# Altium PCB Mixed Signal Board Project.PcbDoc (part 2 of 3)
Units mm, origin at the board's own origin, x right, y up, seen from the top; angles counter-clockwise.
Board outline 80.01 x 80.01 mm, 4 copper layers (Top Layer1, Layer 1, Layer 2, Bottom Layer), stack 1.371 mm thick; 190 components, 145 nets, 742 pads, 573 vias.
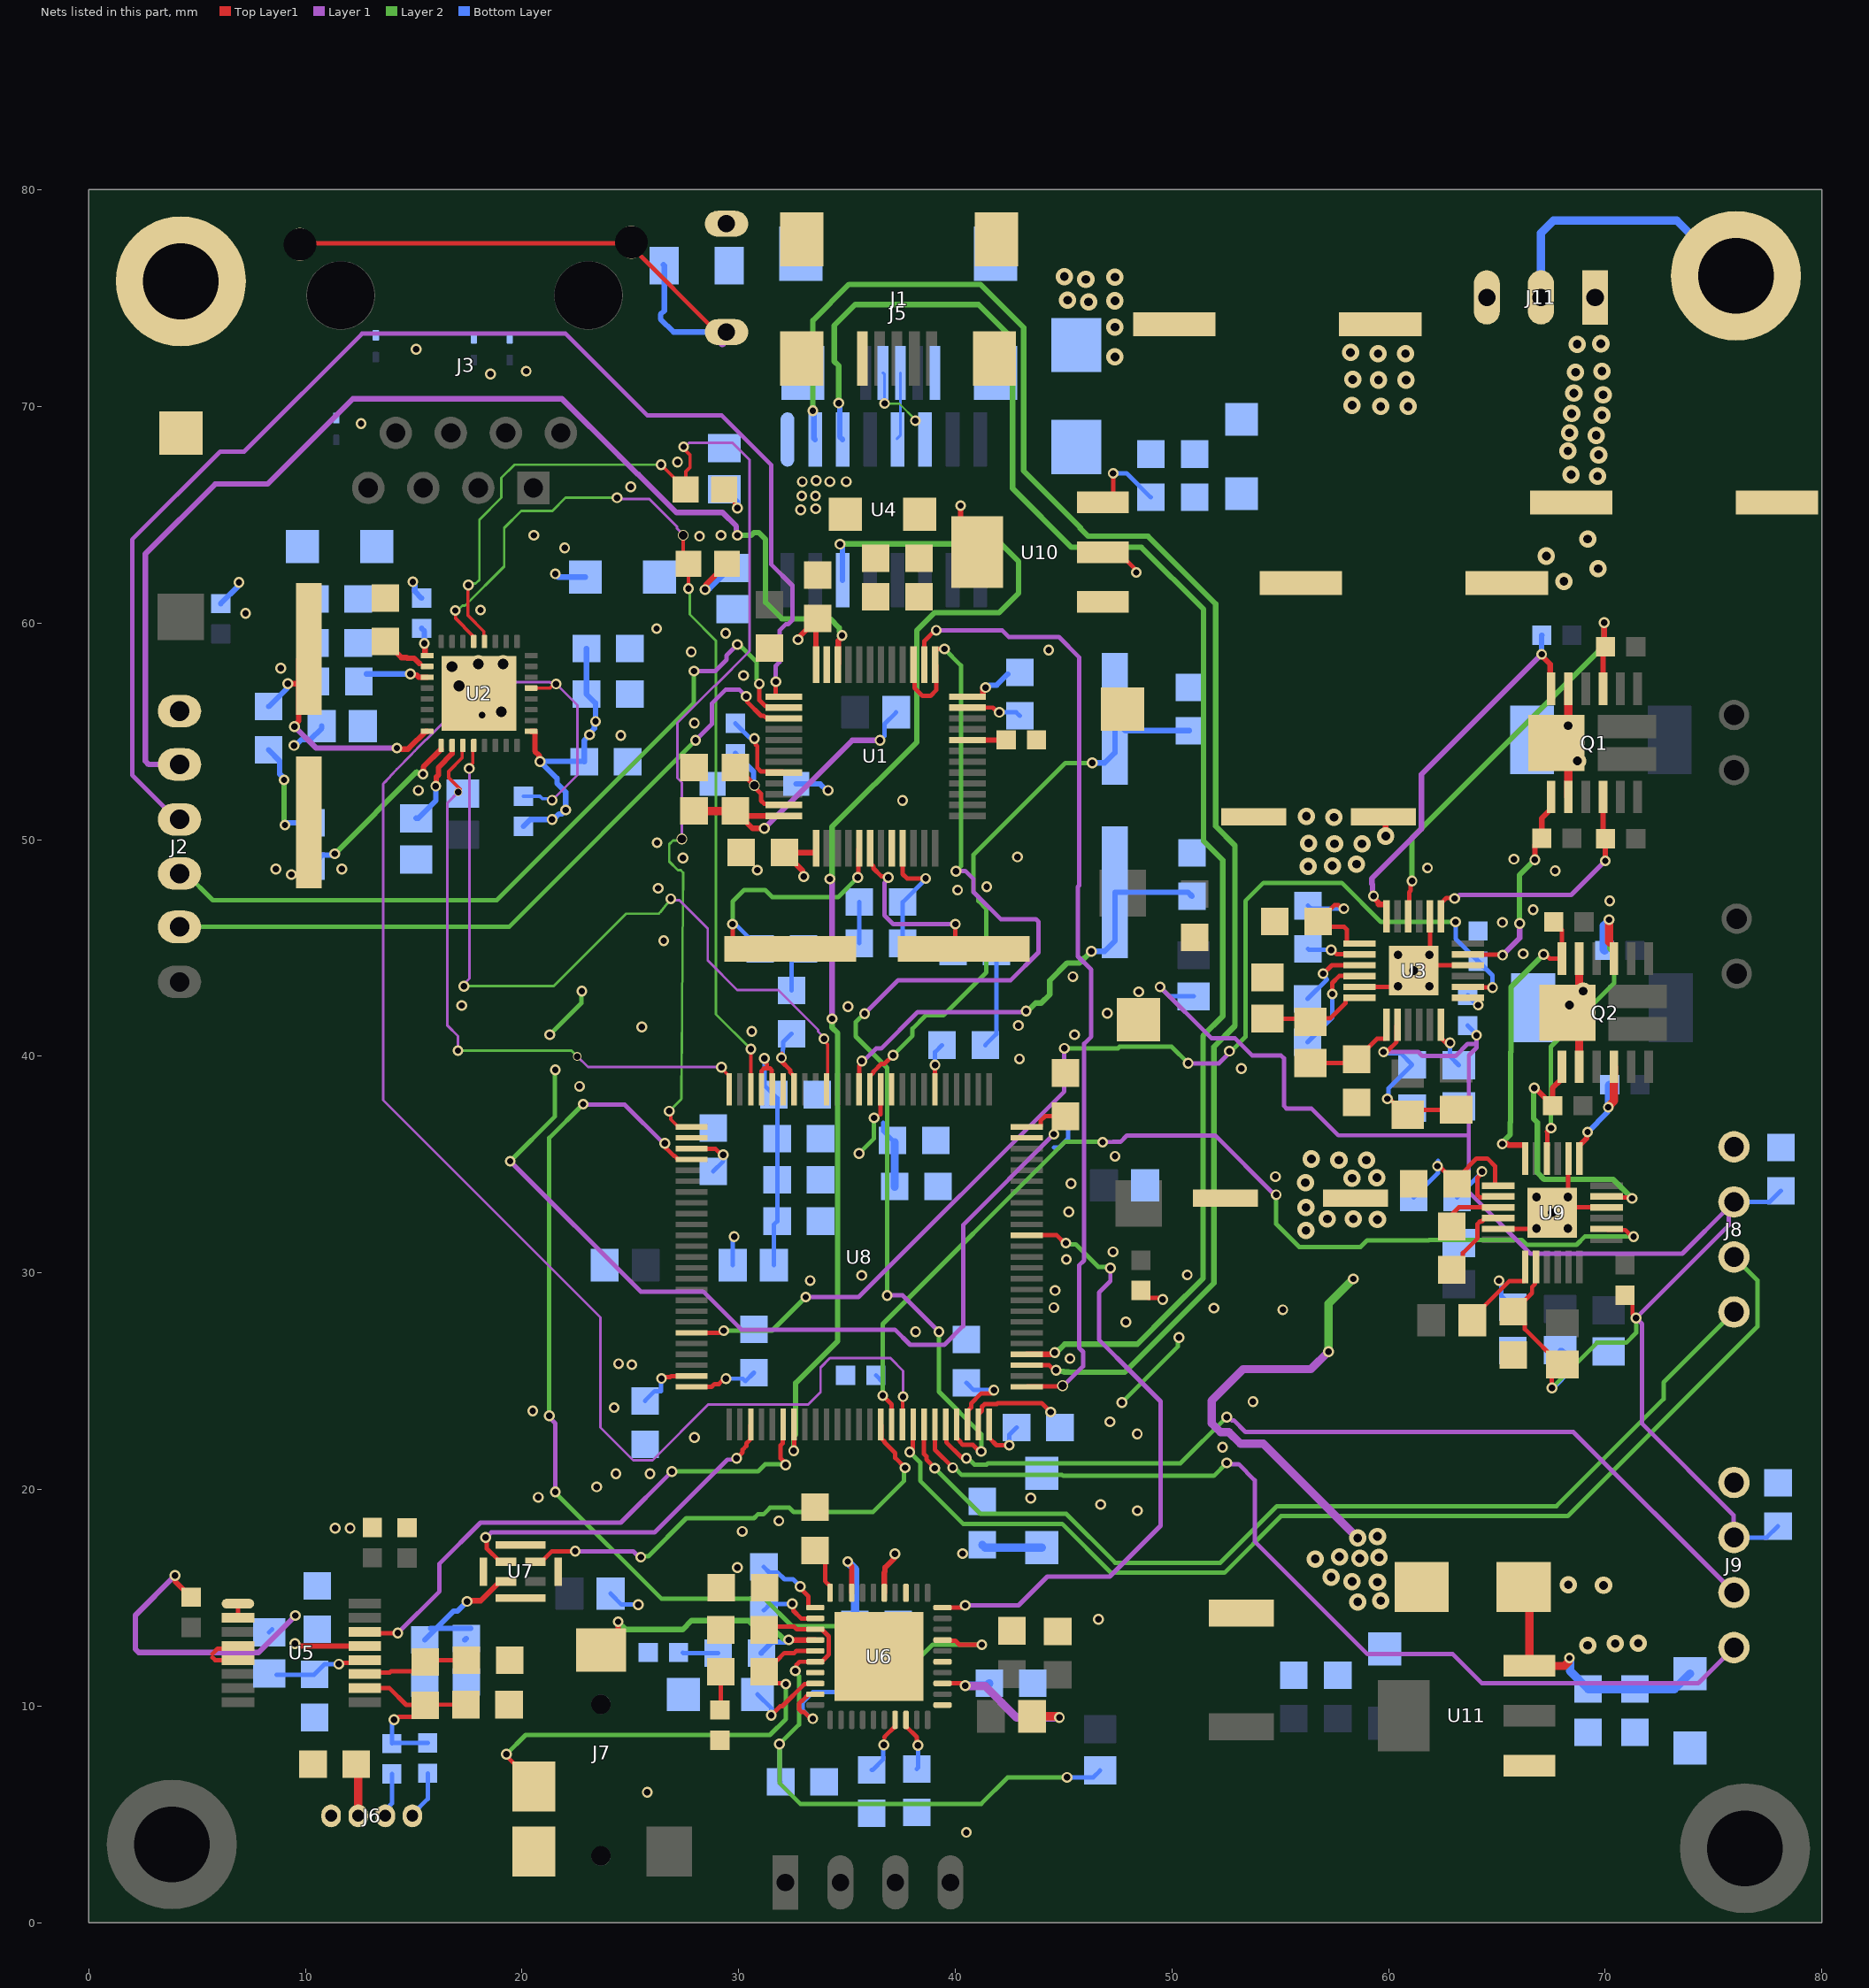
[diagram p4: the nets of this part, all layers, seen from the top]

## Via types
v1: diameter 0.5, hole 0.3, Top Layer1 to Bottom Layer, tented both sides, 434 vias
v2: diameter 0.8, hole 0.4, Top Layer1 to Bottom Layer, tented both sides, 124 vias
v3: diameter 0.5, hole 0.4, Top Layer1 to Bottom Layer, tented both sides, 5 vias
v4: diameter 0.8, hole 0.5, Top Layer1 to Bottom Layer, tented both sides, 5 vias
v5: diameter 0.4, hole 0.3, Top Layer1 to Bottom Layer, tented both sides, 3 vias
v6: diameter 0.5/0.5/0.5/0.5 (per signal layer), hole 0.3, Top Layer1 to Bottom Layer, tented both sides, 2 vias

## Nets (pads, with @x,y where several pads share a name; then routed paths per layer and width w, separated by ;. In a path a pad name is that pad's centre, name@x,y a point inside that pad or via, vN(x,y) a via of type N, cw(c..) or ccw(c..) an arc to the next point about the centre after c; other vN are vias at no path point) (continued)
+3V3: C1.2 C2.1 C3.2 C4.2 C7.2 C8.2 C9.1 C16.2 C17.2 C18.2 C19.2 C27.2 C29.2 C30.2 C44.2 C45.2 C46.2 C47.2 C48.2 C49.2 C54.2 C55.2 C59.2 C60.2 C61.2 C62.2 C63.2 C64.2 C65.2 C72.2 C78.2 C82.2 C83.2 C84.2 D2.K FB1.1 FB2.1 FB4.1 J6.3 J8.3 J9.3 R1.2 R3.2 R7.2 R8.2 R9.2 R21.1 R22.2 R24.2 R25.2 R26.2 R27.2 R32.2 R33.2 R35.2 R45.1 R46.2 R48.2 U1.1 U1.9 U1.24 U1.36 U1.48 U2.17 U3.8 U5.13 U6.5 U6.8 U6.33 U7.1 U8.6 U8.11 U8.19 U8.28 U8.50 U8.75 U8.100 U9.8 U10.2 U10.4 | length 268.3
  Top Layer1 w0.203: U8.50@27.822,24.734 28.747,24.734 28.88,24.867 29.087,24.867 29.336,25.115 v1(29.416,25.115) ; U8.28@27.822,35.734 28.922,35.734 29.208,35.448 v1(29.288,35.448) ; v1@32.004,40.107 31.953,40.056 31.953,39.789 32.389,39.354 32.389,39.254 32.56,39.083 U8.19@32.56,38.472 ; 36.551,37.313 36.555,37.317 36.555,38.467 U8.11@36.56,38.472 ; U1.9@37.572,49.61 37.572,48.411 37.774,48.209 v1(38.633,48.209) ; U8.6@39.06,38.472 39.06,39.492 v1@39.065,39.497 ; U6.33@39.409,11.044 40.276,11.044 40.382,10.938 v1(40.462,10.938) ; U8.75@41.56,22.996 41.585,22.971 41.585,22.36 41.902,22.043 v1(42.494,22.043) ; U8.100@43.298,36.734 43.909,36.734 43.934,36.759 43.934,37.016 44.145,37.227 C65.2@45.085,37.227 ; U10.2@46.817,63.271 47.517,63.271 48.299,62.489 48.299,62.394 v1(48.356,62.338) ; R1.2@48.565,29.185 48.908,28.842 49.425,28.842 49.495,28.772 v1(49.576,28.772) ; v1(59.768,40.199) 59.825,40.256 59.959,40.256 60.367,40.664 60.367,41.41 U3.8@60.41,41.453 ; v1(59.948,38.032) 60.005,37.975 60.111,37.975 60.784,37.302 R22.2@60.884,37.302 61.112,37.531 R24.2@63.119,37.531 ; U9.8@66.807,30.275 66.764,30.232 66.764,29.486 66.624,29.346 66.624,29.067 C78.2@65.76,28.203 66.294,27.67 66.294,27.398 67.921,25.771 R48.2@68.021,25.771 67.539,25.288 v1(67.539,24.689) ; R45.1@70.917,28.969 71.26,28.626 71.26,28.08 v1(71.425,27.915)
  Top Layer1 w0.254: v1(3.988,16.027) 3.988,15.761 R27.2@4.724,15.024 ; v1(9.514,12.881) 9.581,12.881 9.688,12.774 U5.13@12.74,12.774 ; v1(17.467,14.827) 17.504,14.864 18.098,14.864 18.989,15.755 U7.1@19.264,15.755 ; U2.17@20.421,54.999 20.592,54.999 20.594,54.997 20.594,54.082 20.789,53.887 20.789,53.658 v1(20.836,53.611) ; C1.2@29.845,51.324 C1.2@30.071,51.098 ; v1(31.185,50.527) 30.642,50.527 C1.2@30.071,51.098 ; U1.48@32.084,51.098 C1.2@30.071,51.098 ; v1(32.741,59.233) 32.741,59.299 C4.2@33.572,60.131 ; v1(33.003,48.301) 32.956,48.348 32.956,48.563 C3.2@32.115,49.403 33.549,49.403 33.572,49.426 U1.1@33.572,49.61 ; U1.36@33.572,58.086 C4.2@33.572,60.131 ; C4.2@33.655,60.214 C4.2@33.572,60.131 ; v1(35.041,16.67) 35.041,16.616 35.224,16.432 U6.8@35.224,15.229 ; U6.5@36.724,15.229 36.724,16.16 36.758,16.194 36.758,16.39 37.168,16.801 37.168,16.975 v1(37.215,17.022) ; v1(40.245,65.421) 40.245,64.043 U10.4@41.017,63.271 ; U1.24@40.56,56.598 41.252,56.598 41.275,56.621 v1@41.275,57.023
  Top Layer1 w0.381: C29.2@12.354,7.315 12.441,7.229 J6.3@12.441,4.928 ; C2.1@27.838,51.13 27.94,51.232 C2.1@27.94,51.324 C1.2@29.845,51.324 ; R32.2@43.546,9.525 44.723,9.525 44.773,9.474 v1(44.806,9.474)
  Layer 1 w0.203: v1(19.456,35.154) 25.476,29.134 28.369,29.134 30.121,27.381 37.211,27.381 37.915,26.677 39.494,26.677 40.361,27.544 40.361,32.207 v1(44.552,36.398) ; v1(49.454,43.202) 51.816,40.839 52.905,40.839 53.714,40.03 55.042,40.03 55.169,39.903 55.169,37.711 55.288,37.592 56.439,37.592 57.683,36.347 63.703,36.347 ; v1(59.768,40.199) 61.374,40.199 61.564,40.009 63.09,40.009 63.645,40.564 64.059,40.564 ; v1(64.059,40.97) 64.059,40.564 ; J9.3@75.946,17.78 75.928,17.798 75.928,18.81 71.704,23.034 71.704,27.635 v1(71.425,27.915) 75.707,32.197 J8.3@75.707,33.035 ; J8.3@75.946,33.274 J8.3@75.707,33.035 ; 63.703,36.347 63.703,40.037 64.059,40.393 64.059,40.564 ; 63.703,36.347 63.703,33.731 66.548,30.886 73.558,30.886 J8.3@75.707,33.035
  Layer 1 w0.254: v1(3.988,16.027) 2.159,14.199 2.159,12.62 2.308,12.471 7.834,12.471 v1(9.54,14.177) ; v1(31.185,50.527) 35.243,54.585 v1(36.525,54.585)
  Layer 1 w0.381: v1(40.462,10.938) 40.485,10.915 41.383,10.915 42.824,9.474 v1(44.806,9.474)
  Layer 2 w0.203: v1(19.456,35.154) 21.514,37.211 21.514,39.294 v1@21.539,39.319 ; v1(21.285,40.996) 22.737,42.448 22.737,42.977 v1(22.762,43.002) ; v1(35.56,35.509) 36.25,36.199 v1(36.25,37.156) ; v1(47.692,24.012) 48.952,25.272 50.268,26.588 50.268,26.961 v1(50.325,27.018) ; v1(67.539,24.689) 69.621,26.772 70.968,26.772 71.425,27.229 v1(71.425,27.915)
  Bottom Layer w0.203: FB2.1@8.331,13.406 FB2.1@8.464,13.539 ; R33.2@24.089,15.189 24.597,14.681 v1@25.248,14.681 ; C61.2@28.829,34.687 29.288,35.146 v1(29.288,35.448) ; v1(29.416,25.115) 30.19,25.115 30.312,24.994 C60.2@30.708,25.391 ; FB4.1@29.723,30.353 29.723,31.603 v1(29.794,31.674) ; v1(31.979,39.929) 32.035,39.986 32.035,40.316 32.055,40.335 32.055,40.656 C62.2@32.436,41.037 ; v1(36.525,54.585) 36.724,54.783 36.724,55.332 R3.2@37.272,55.88 ; 36.678,36.932 36.678,36.541 C63.2@37.1,36.119 C63.2@37.202,36.017 ; C7.2@37.576,45.212 C8.2@37.576,47.117 38.633,48.174 v1(38.633,48.209) ; v1(39.065,39.599) 39.065,40.192 C72.2@39.386,40.513 ; v1(42.494,22.043) 42.494,22.523 C59.2@42.831,22.86 ; v1(49.454,43.202) 49.892,42.763 R35.2@51.003,42.763 ; v1(59.768,40.199) 59.848,40.199 59.906,40.141 60.554,40.141 C27.2@61.087,39.608 60.005,38.526 60.005,38.089 v1(59.948,38.032) ; R21.1@63.652,41.415 64.059,41.008 v1(64.059,40.97) ; v1(67.539,24.689) 67.615,24.689 68.402,25.476 68.555,25.476 68.555,25.883 68.006,26.431 R46.2@67.92,26.431 ; J9.3@75.946,17.78 77.454,17.78 C54.2@77.978,18.304 ; J8.3@75.946,33.274 77.597,33.274 C55.2@78.105,33.782
  Bottom Layer w0.254: R7.2@6.096,60.897 6.934,61.735 v1(6.934,61.874) ; v1(9.48,54.347) 9.547,54.347 9.822,54.622 10.236,54.622 10.759,55.145 FB1.1@10.759,55.245 ; v1(14.961,61.904) 14.961,61.837 15.05,61.748 15.05,61.468 R8.2@15.367,61.151 ; C46.2@15.509,13.052 C46.2@16.045,13.589 ; C46.2@15.773,13.589 C46.2@16.045,13.589 ; C47.2@17.363,13.052 C47.2@17.43,13.119 ; v1(17.467,14.827) 17.02,14.38 16.836,14.38 C46.2@16.045,13.589 ; C47.2@17.627,13.589 C46.2@16.045,13.589 ; R9.2@20.066,50.609 20.383,50.927 21.457,50.927 21.719,51.188 21.842,51.188 v1(22.022,51.368) 22.022,52.197 21.615,52.603 21.615,52.832 v1(20.836,53.611) 22.859,53.611 C16.2@22.876,53.594 22.876,54.581 23.118,54.823 23.118,54.91 23.346,55.139 23.346,55.411 v1(23.393,55.458) 23.393,56.302 C17.2@22.978,56.718 C18.2@22.978,58.827 ; v1@21.59,62.205 21.671,62.123 C19.2@22.923,62.123 ; D2.K@32.657,52.572 33.768,52.572 34.067,52.273 v1(34.134,52.273) ; v1(41.402,57.023) 41.469,57.023 41.579,57.134 41.91,57.134 C9.1@42.418,57.642
  Bottom Layer w0.381: v1(35.041,16.67) 35.041,16.65 35.373,16.318 C48.2@35.373,13.767 ; C64.2@37.202,33.985 C63.2@37.202,36.017 ; v1(40.462,10.938) 41.459,10.938 C49.2@41.57,11.049 ; C44.2@41.249,17.44 41.38,17.31 C45.2@43.998,17.31
  other v1: 25.372,14.682 40.335,17.039 11.377,18.212 12.065,18.212 21.539,39.37 21.391,50.927 23.118,54.844 21.535,62.271 32.868,65.227 33.553,65.278 32.912,65.868 33.547,65.868 32.938,66.529 34.208,66.529 34.97,66.529 33.573,66.579
+12V: C23.2 C24.1 C25.2 C74.2 C75.1 C76.2 C79.1 C80.1 C81.1 D1.A D3.A J11.1 Q1.2 Q1.11 Q1.15 Q2.2 Q2.11 Q2.15 U3.1 U9.1 | length 49
  Top Layer1 w0.203: C25.2@56.753,46.228 57.512,46.987 57.683,46.987 57.857,46.812 v6(57.937,46.812) ; C25.2@56.769,45.974 57.95,45.974 58.069,45.855 58.069,45.251 58.118,45.203 U3.1@58.66,45.203 ; v1(62.259,34.929) 62.337,34.929 C76.2@63.154,34.112 ; C76.2@63.17,34.366 63.703,34.9 63.703,34.93 64.058,35.285 64.56,35.285 64.914,34.93 64.914,34.074 64.963,34.025 U9.1@65.057,34.025
  Top Layer1 w0.254: C24.1@59.769,51.054 59.868,50.955 v2(59.868,50.165) ; Q1.15@67.751,54.873 68.136,55.259 v2(68.294,55.259) ; Q2.15@68.252,42.012 68.252,42.275 v2(68.345,42.367)
  Top Layer1 w0.381: v2(68.294,55.259) Q1.15@68.043,55.51 ; Q1.2@68.301,51.968 68.301,53.918 Q1.15@67.751,54.468 ; Q1.11@68.301,56.968 68.301,55.578 68.233,55.51 Q1.15@68.043,55.51 ; Q2.15@68.384,42.143 68.983,42.742 v2(68.983,43.005) ; Q2.15@68.476,42.236 v2(68.345,42.367) Q2.15@68.576,42.598 ; v2(68.721,53.631) 68.588,53.631 Q1.15@67.751,54.468 ; Q2.2@68.802,39.512 68.802,41.462 Q2.15@68.252,42.012 68.252,42.37 68.802,42.92 Q2.11@68.802,44.512 ; Q1.15@67.751,54.468 67.751,54.873 67.751,55.218 Q1.15@68.043,55.51
  Layer 1 w0.381: v1(57.226,26.365) 56.413,25.552 53.289,25.552 51.837,24.1 51.837,23.055 52.244,22.648 52.628,22.648 53.165,22.111 54.216,22.111 v2(58.572,17.755)
  Layer 2 w0.381: v1(57.226,26.365) 57.226,28.575 v1(58.369,29.718)
  Bottom Layer w0.203: C23.2@56.287,46.949 56.423,46.812 v6(57.937,46.812) ; C74.2@61.154,33.477 62.275,34.598 62.275,35.183
  other v2: 58.572,14.808 59.639,14.859 59.487,15.723 58.318,15.748 57.353,15.951 56.617,16.789 58.674,16.815 59.563,16.866 57.734,16.891 59.487,17.831 56.185,31.953 59.487,32.461 57.175,32.487 58.369,32.487 56.185,33.02 56.159,34.163 58.318,34.366 59.461,34.392 57.709,35.204 58.979,35.204 56.439,35.255 56.286,48.762 57.404,48.793 58.522,48.87 57.506,49.809 58.776,49.809 56.312,49.835 57.48,51.029 56.21,51.079 68.097,61.925 69.672,62.509 67.285,63.094 69.19,63.881 69.647,66.777 68.428,66.853 69.698,67.767 68.275,67.945 69.588,68.664 68.351,68.783 69.85,69.596 68.453,69.672 59.639,70.002 60.909,70.002 58.318,70.053 69.901,70.536 68.555,70.612 59.538,71.222 60.808,71.222 58.344,71.247 68.631,71.577 69.85,71.628 47.371,72.288 59.512,72.441 60.782,72.441 58.242,72.492 68.707,72.873 69.799,72.898 47.371,73.66 46.152,74.828 47.371,74.879 45.187,74.905 46.025,75.87 47.371,75.971 45.034,75.997
AIN0: J6.1 R28.2 | length 2.3
  Top Layer1 w0.203: J6.1@14.941,4.928 J6.1@14.941,5.003
  Bottom Layer w0.203: J6.1@14.941,4.928 14.941,5.003 15.646,5.708 R28.2@15.646,6.896
AIN1: J6.2 R29.2 | length 2.1
  Bottom Layer w0.203: J6.2@13.691,4.928 13.691,5.191 13.995,5.496 R29.2@13.995,6.871
CAN_RX: J9.1 U8.70 | length 45.4
  Top Layer1 w0.203: U8.70@39.06,22.996 39.06,21.828 v1(39.884,21.004)
  Layer 1 w0.203: v1(52.531,21.224) 52.588,21.167 53.077,21.167 53.823,20.422 53.823,17.602 59.03,12.395 62.967,12.395 64.313,11.049 74.295,11.049 J9.1@75.946,12.7
  Layer 2 w0.203: v1(39.884,21.004) 39.964,21.004 40.301,20.668 44.932,20.668 44.975,20.625 51.932,20.625 v1(52.531,21.224)
CAN_TX: J9.2 U8.71 | length 41.9
  Top Layer1 w0.203: U8.71@39.56,22.996 39.585,22.971 39.585,22.174 40.265,21.494 40.456,21.494 v1(40.513,21.438)
  Layer 1 w0.203: v1(52.531,23.343) 52.612,23.343 52.761,23.194 52.854,23.194 53.391,22.657 68.529,22.657 J9.2@75.946,15.24
  Layer 2 w0.203: v1(40.513,21.438) 40.593,21.438 40.882,21.149 41.449,21.149 41.509,21.209 50.398,21.209 v1(52.531,23.343)
"CH340 RST": U4.14 U8.57 | length 58.7
  Top Layer1 w0.203: v1(32.541,21.781) 32.56,21.8 U8.57@32.56,22.996
  Layer 1 w0.254: v1(34.214,48.184) 34.214,48.117 34.315,48.016 v1(34.315,41.732)
  Layer 2 w0.254: v1(32.541,21.781) 32.541,22.452 32.629,22.539 32.629,24.908 34.569,26.848 34.569,41.068 34.315,41.322 v1(34.315,41.732) ; v1(34.214,48.184) 34.315,48.285 34.315,50.597 38.227,54.508 38.227,59.665 39.04,60.477 42.012,60.477 42.926,61.392 42.926,62.84 42.113,63.652 34.693,63.652 v1(34.682,63.641)
  Bottom Layer w0.254: U4.14@34.798,61.976 v1@34.798,63.475
CH340_RXD: U4.3 U8.79 | length 74
  Top Layer1 w0.254: U8.79@43.298,26.234 44.443,26.234 44.525,26.317 v1(44.592,26.317)
  Layer 2 w0.254: v1(34.62,70.155) 34.62,71.877 34.417,72.08 34.417,73.736 35.382,74.701 41.072,74.701 42.647,73.127 42.647,66.218 45.364,63.5 48.59,63.5 51.46,60.63 51.46,49.936 52.349,49.047 52.349,41.853 51.435,40.938 51.435,29.739 49.886,28.19 48.403,26.707 45.049,26.707 44.658,26.317 v1(44.592,26.317)
  Bottom Layer w0.254: v1(34.62,70.155) 34.667,70.108 34.667,68.607 U4.3@34.798,68.476
CH340_TXD: U4.2 U8.78 | length 77.4
  Top Layer1 w0.203: U8.78@43.298,25.734 44.34,25.734 44.573,25.502 v1(44.653,25.502)
  Layer 2 w0.254: v1(33.426,69.798) 33.426,73.966 35.096,75.635 41.157,75.635 43.155,73.638 43.155,67.031 45.772,64.413 45.772,64.365 46.13,64.008 48.895,64.008 49.428,63.475 52.019,60.884 52.019,50.622 52.908,49.733 52.908,41.402 51.943,40.437 51.943,29.528 50.064,27.649 47.828,25.413 45.224,25.413 45.219,25.417 45.029,25.417 44.992,25.455 44.7,25.455 v1(44.653,25.502)
  Bottom Layer w0.254: v1(33.426,69.798) 33.473,69.751 33.473,68.531 U4.2@33.528,68.476
"CH340USB D_N": J5.2 U4.6 | length 3.2
  Layer 2 w0.092: v1(36.737,70.143) 36.75,70.129 37.418,70.129 38.159,69.388 v1(38.159,69.34)
  Bottom Layer w0.136: J5.2@36.665,71.552 36.737,71.48 v1(36.737,70.143)
"CH340USB D_P": J5.3 U4.5 | length 3.1
  Bottom Layer w0.136: U4.5@37.307,68.507 37.465,68.665 J5.3@37.465,71.552
CLK_MIC: U7.3 U8.65 | length 22.1
  Top Layer1 w0.203: U7.3@20.614,16.655 20.889,16.655 21.379,17.145 v1(22.454,17.145) ; U8.65@36.56,22.996 36.585,22.971 36.585,22.36 36.731,22.214 36.731,22.175 37.23,21.676 37.23,21.455 v1(37.683,21.002)
  Layer 1 w0.203: v1(22.454,17.145) 25.131,17.145 25.403,16.873 v1(25.484,16.873)
  Layer 2 w0.203: v1(25.484,16.873) 25.52,16.91 25.825,16.91 27.584,18.669 30.711,18.669 30.887,18.845 31.146,18.845 31.452,19.152 32.345,19.152 32.548,18.948 36.195,18.948 37.637,20.39 37.637,20.955 v1(37.683,21.002)
COL: DS2.A U2.28 U8.26 | length 57.6
  Top Layer1 w0.156: v1(17.523,61.753) 17.502,61.732 17.502,60.349 18.24,59.611 18.24,59.18 U2.28@18.271,59.149 ; v1(26.416,67.31) DS2.A@27.559,66.167 27.559,66.995 27.76,67.196 27.76,67.754 27.458,68.056 v1(27.458,68.137) ; v1(26.797,37.465) 26.863,37.399 26.863,37.083 27.211,36.734 U8.26@27.822,36.734
  Layer 1 w0.117: v3(27.377,50.028) 27.377,52.631 27.17,52.839 27.17,55.392 28.891,57.114 28.92,57.114 30.505,58.699 30.505,67.539 29.718,68.326 27.718,68.326 27.529,68.137 v1(27.458,68.137)
  Layer 2 w0.117: v1(17.523,61.753) 17.596,61.826 17.866,61.826 18.034,61.993 18.034,64.77 19.047,65.783 19.047,66.704 19.653,67.31 v1(26.416,67.31) ; v1(26.797,37.465) 27.358,38.026 27.358,38.074 27.358,38.08 27.358,38.123 27.39,42.108 27.431,47.264 ; v3(27.377,50.028) 27.304,49.955 26.968,49.955 26.797,49.784 26.797,48.988 27.199,48.586 27.335,48.586 27.406,48.515 27.44,48.48 27.44,48.431 27.44,48.383 27.439,48.335 27.437,48.016 27.431,47.265
CRS: DS1.A U2.29 U8.23 | length 43.2
  Top Layer1 w0.156: v1(16.92,60.579) 16.935,60.563 16.935,60.207 17.724,59.419 17.724,59.196 U2.29@17.771,59.149 ; v3(27.441,64.055) 27.441,62.983 DS1.A@27.686,62.738 v1(27.686,61.595) ; U8.23@30.56,38.472 30.561,38.473 30.561,40.326 v1(30.563,40.328)
  Layer 1 w0.117: v1(24.384,65.786) 24.439,65.731 25.879,65.731 27.156,64.455 27.156,64.372 27.441,64.086 v3(27.441,64.055)
  Layer 2 w0.117: v1(16.92,60.579) 17.023,60.579 17.253,60.809 17.375,60.809 19.177,62.611 19.177,64.389 19.964,65.176 21.404,65.176 22.013,65.786 v1(24.384,65.786) ; v1(27.686,61.595) 27.741,61.54 27.741,60.397 28.956,59.182 28.956,41.935 v1(30.563,40.328)
DOUT_MIC: U7.4 U8.53 | length 16.6
  Top Layer1 w0.203: v1(18.318,17.784) 18.375,17.727 18.375,17.27 18.989,16.655 U7.4@19.264,16.655 ; v1(29.907,21.434) 29.907,21.438 30.181,21.712 30.181,21.829 30.355,22.003 30.355,22.121 30.535,22.3 30.535,22.971 U8.53@30.56,22.996
  Layer 1 w0.203: v1(18.318,17.784) 18.361,17.784 18.585,18.009 26.111,18.009 29.479,21.377 29.85,21.377 v1(29.907,21.434)
DRDY: U5.14 U8.56 | length 25.4
  Top Layer1 w0.203: U5.14@12.74,13.424 12.794,13.37 v1(14.265,13.37) ; U8.56@32.06,22.996 32.035,22.971 32.035,22.131 31.936,22.032 31.936,21.438 32.166,21.208 v1(32.166,21.128)
  Layer 1 w0.203: v1(14.265,13.37) 16.192,15.297 16.192,16.573 18.085,18.466 24.562,18.466 v1(26.924,20.828)
  Layer 2 w0.203: v1(26.924,20.828) 30.893,20.828 31.219,21.154 32.139,21.154 v1(32.166,21.128)
EARTH: C21.1 J11.2 MH1.1 MH2.1 R12.1 | length 13.3
  Bottom Layer w0.203: MH2.1@75.859,76.033 MH2.1@76.033,76.033
  Bottom Layer w0.381: J11.2@67.033,75.033 67.033,78.006 67.615,78.588 73.304,78.588 MH2.1@75.859,76.033
EN_MOT_DRI_1: R23.2 U3.14 U8.45 | length 55
  Top Layer1 w0.203: U8.45@27.822,27.234 29.139,27.234 29.235,27.33 v1(29.316,27.33) ; U3.14@63.664,43.203 63.679,43.188 64.784,43.188 v1(64.799,43.173)
  Layer 1 w0.203: v1(33.096,28.88) 35.535,28.88 45.031,38.376 v1(45.031,40.366) ; v1(50.749,39.675) 52.172,39.675 52.654,40.157 v1(52.654,40.234)
  Layer 2 w0.203: v1(29.316,27.33) 31.547,27.33 v1(33.096,28.88) ; v1(45.031,40.366) 47.509,40.366 47.585,40.441 49.983,40.441 v1(50.749,39.675) ; v1(52.654,40.234) 52.73,40.234 53.391,40.894 53.391,47.168 54.229,48.006 57.836,48.006 59.639,46.203 v1(63.094,46.203)
  Bottom Layer w0.203: v1(63.094,46.203) 63.094,45.428 64.793,43.728 64.793,43.179 v1(64.799,43.173)
EN_MOT_DRI_2: R47.2 U8.66 U9.14 | length 48.9
  Top Layer1 w0.203: v1(36.652,24.333) 37.06,23.925 U8.66@37.06,22.996 ; U9.14@70.061,32.025 70.109,31.977 70.928,31.977 71.23,31.674 v1(71.311,31.674)
  Layer 1 w0.203: v1(46.803,36.033) 47.291,36.043 47.627,36.043 47.928,36.343 51.998,36.343 54.737,33.604 v1(54.813,33.604)
  Layer 2 w0.203: v1(36.652,24.333) 36.652,27.635 45.06,36.043 46.794,36.043 v1(46.803,36.033) ; v1(54.813,33.604) 54.813,32.256 55.872,31.198 58.711,31.198 59.01,31.496 61.849,31.496 61.874,31.521 66.142,31.521 66.368,31.295 68.679,31.295 69.058,31.674 v1(71.311,31.674)
  Bottom Layer w0.203: R47.2@36.335,25.273 36.652,24.956 v1(36.652,24.333)
EXT_UART_RX: J8.1 U8.69 | length 46.2
  Top Layer1 w0.203: U8.69@38.56,22.996 38.56,21.633 38.672,21.521 38.672,21.378 39.055,20.994 v1(39.055,20.976)
  Layer 2 w0.203: v1(39.055,20.976) 41.159,18.872 45.122,18.872 47.383,16.612 52.236,16.612 54.852,19.228 67.753,19.228 72.695,24.169 72.695,24.943 J8.1@75.946,28.194
EXT_UART_TX: J8.2 U8.68 | length 51.6